# Altium PCB main - Copy.PcbDoc (part 1 of 14) (continued)
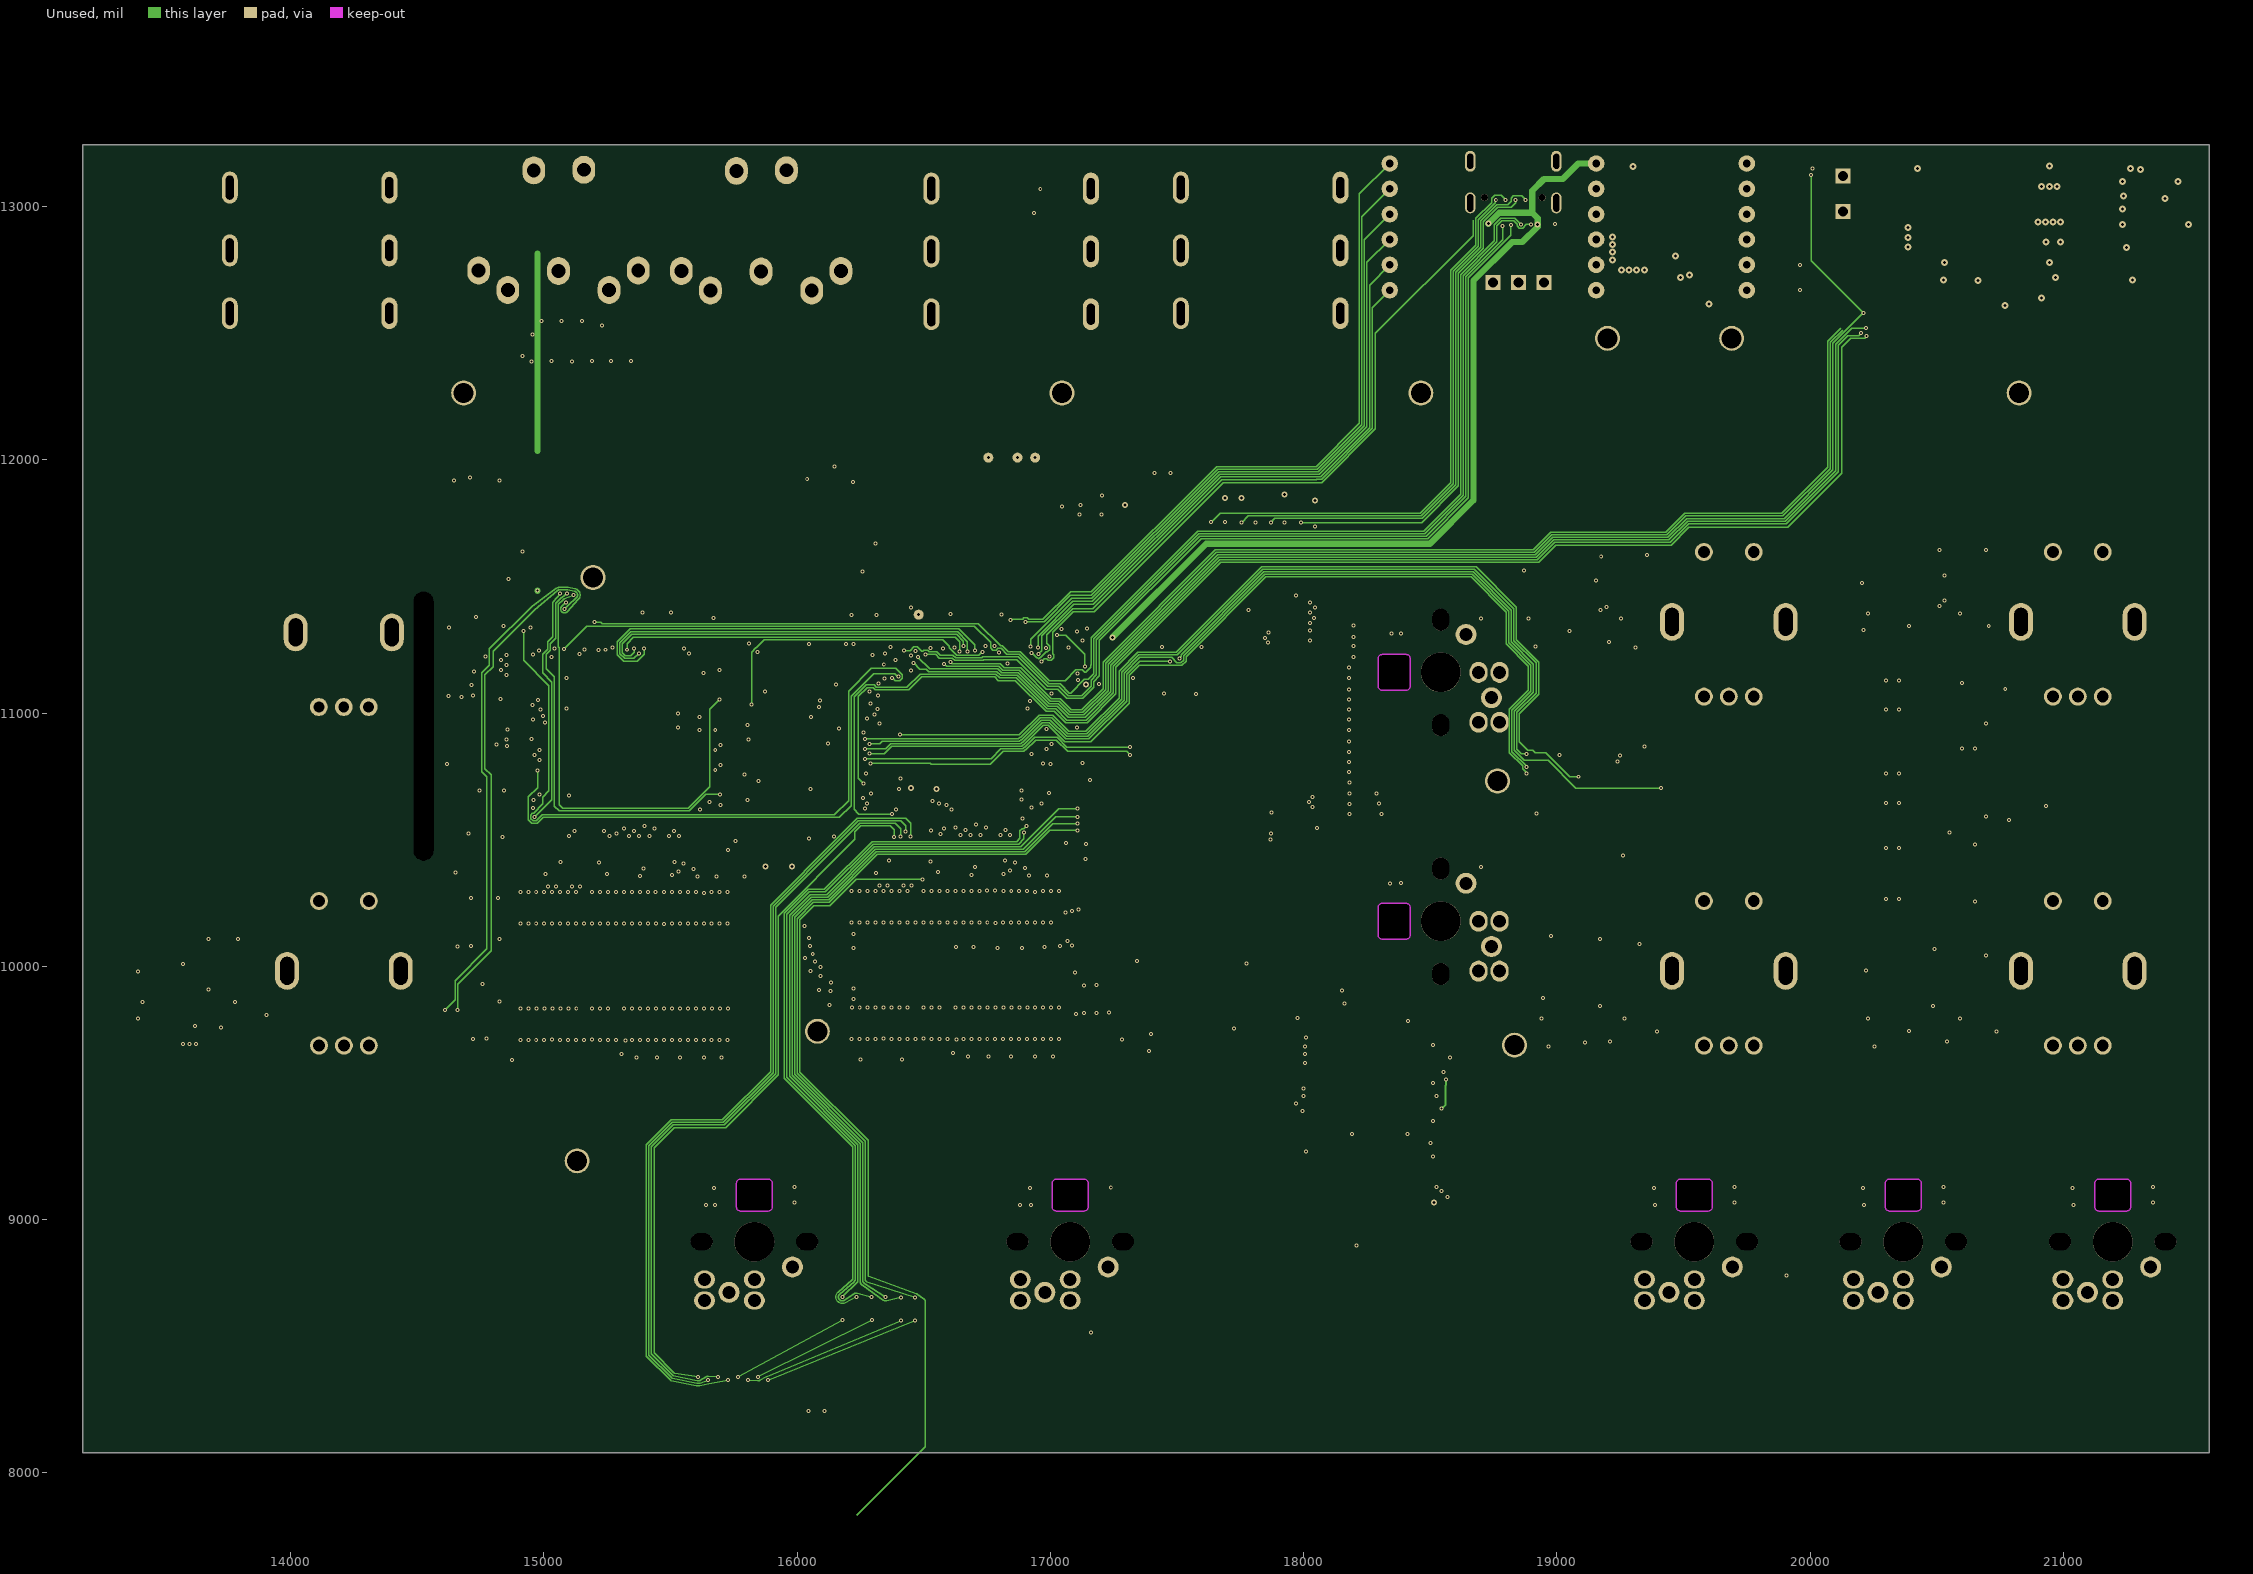
[diagram p4: Unused]
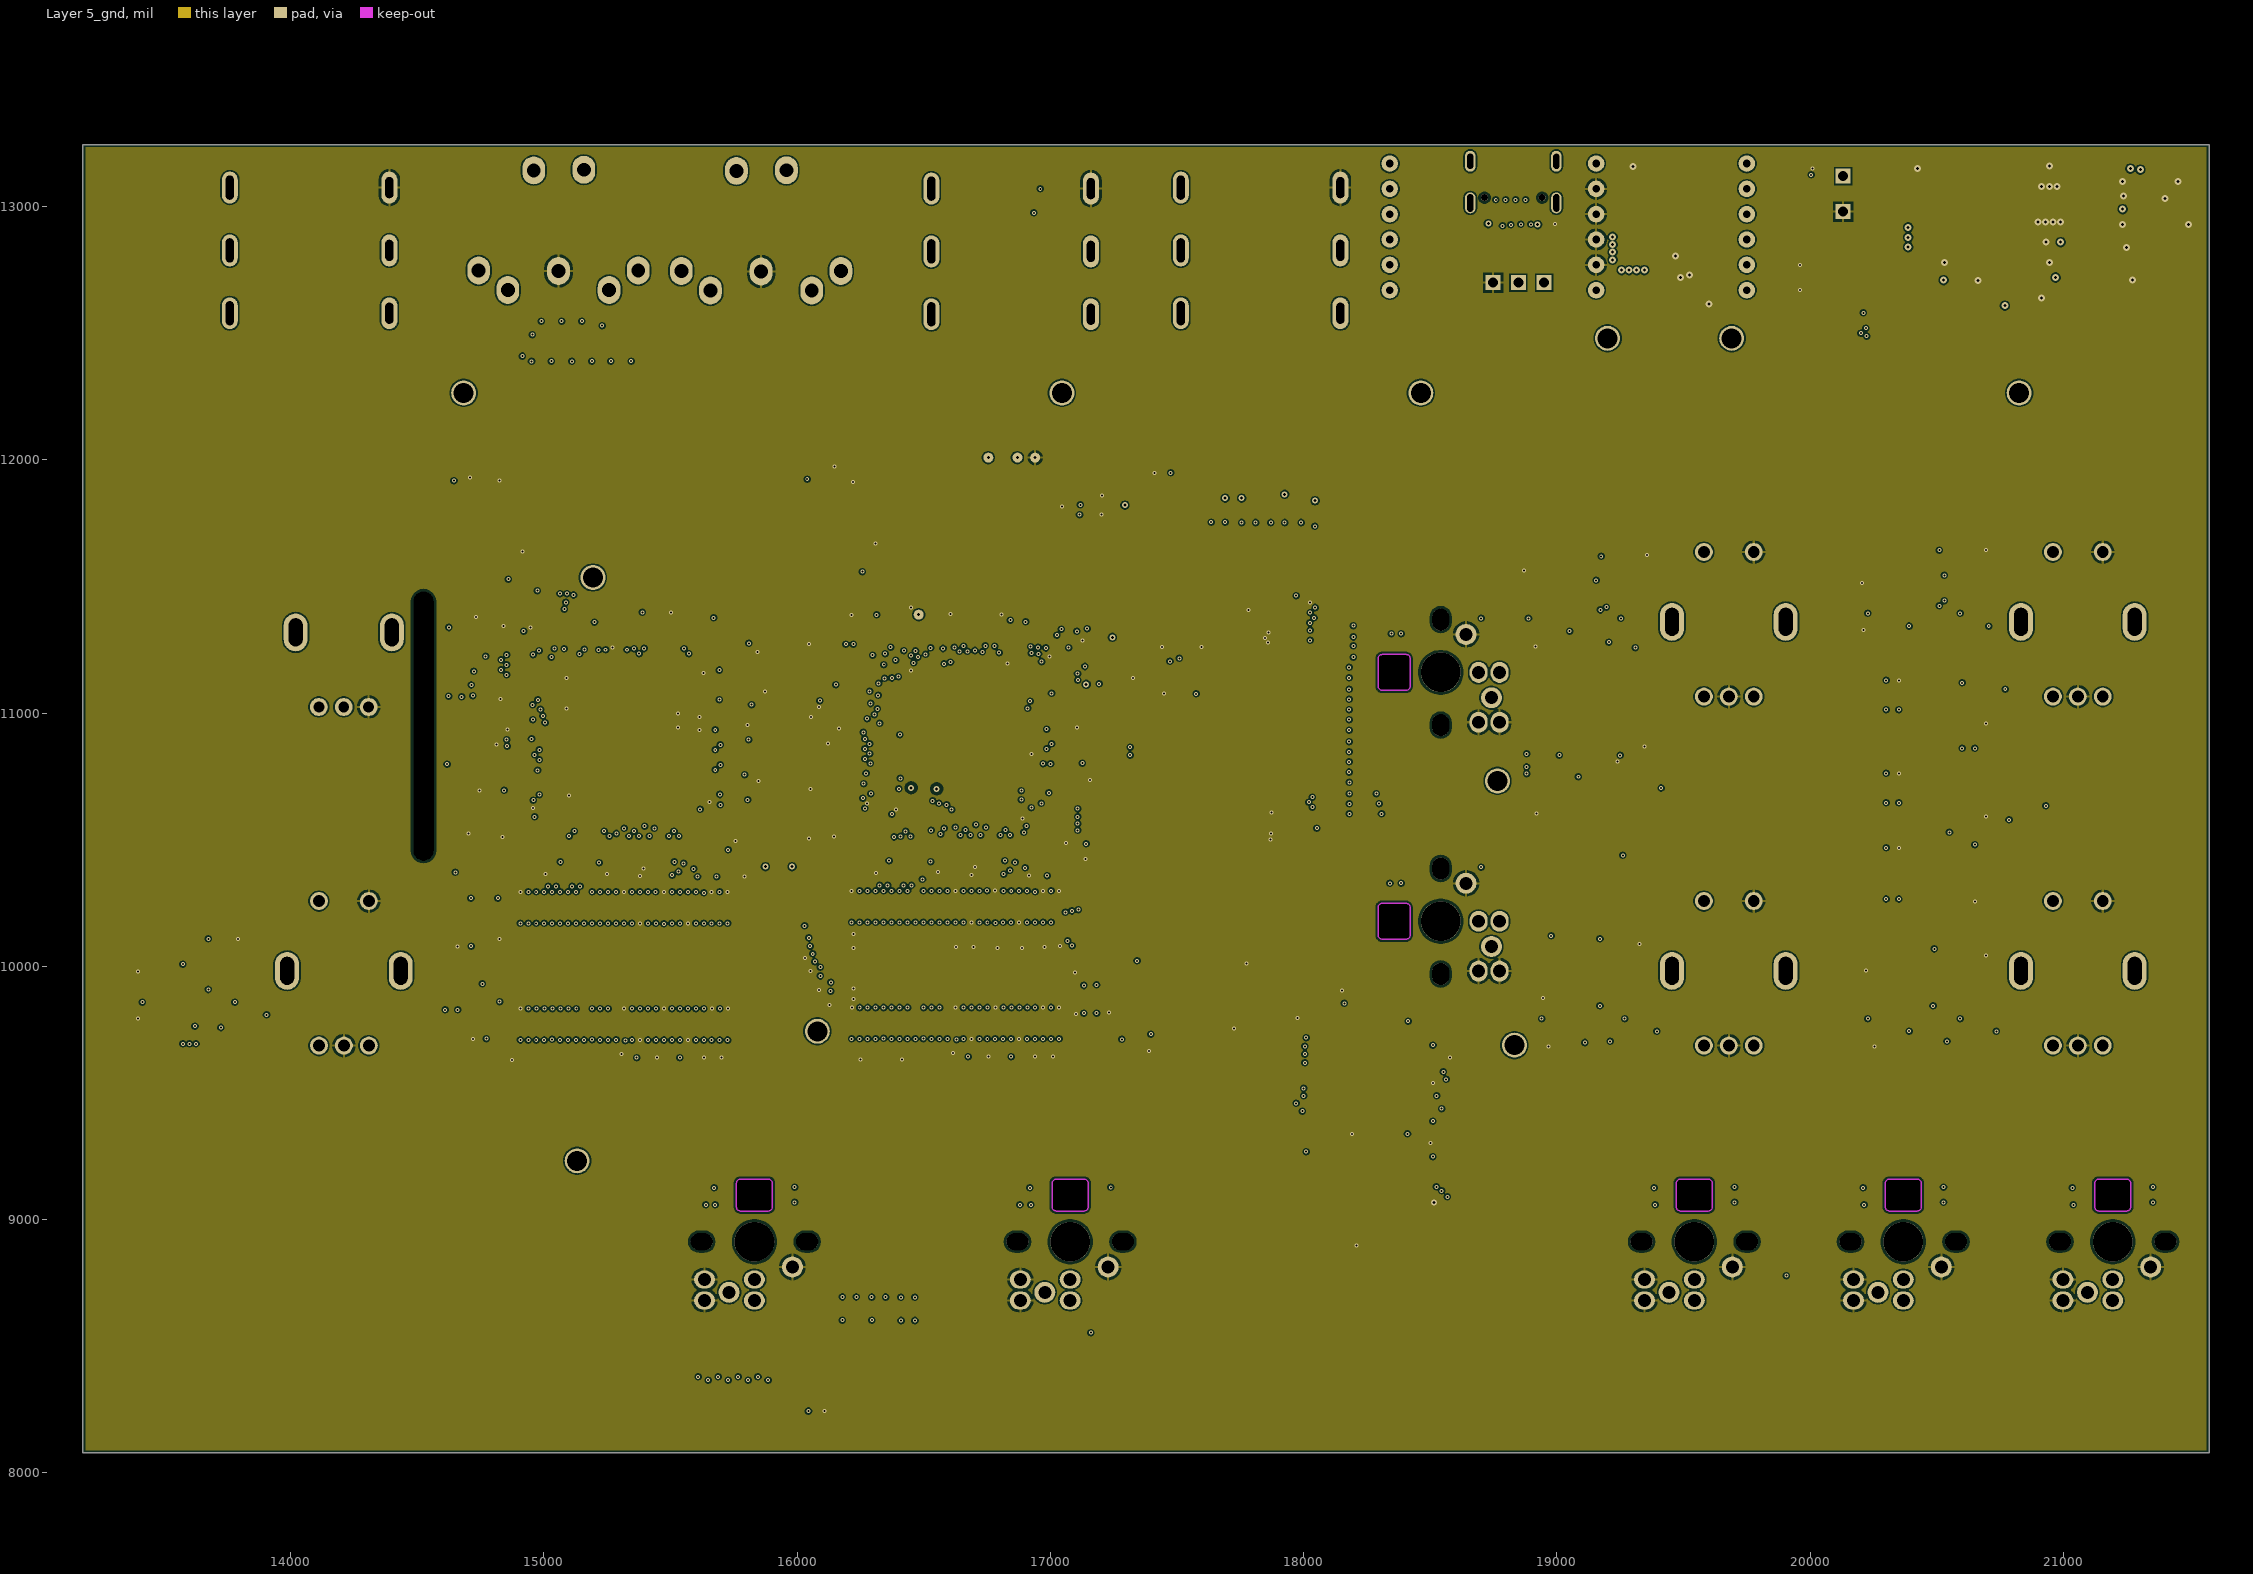
[diagram p5: Layer 5_gnd]
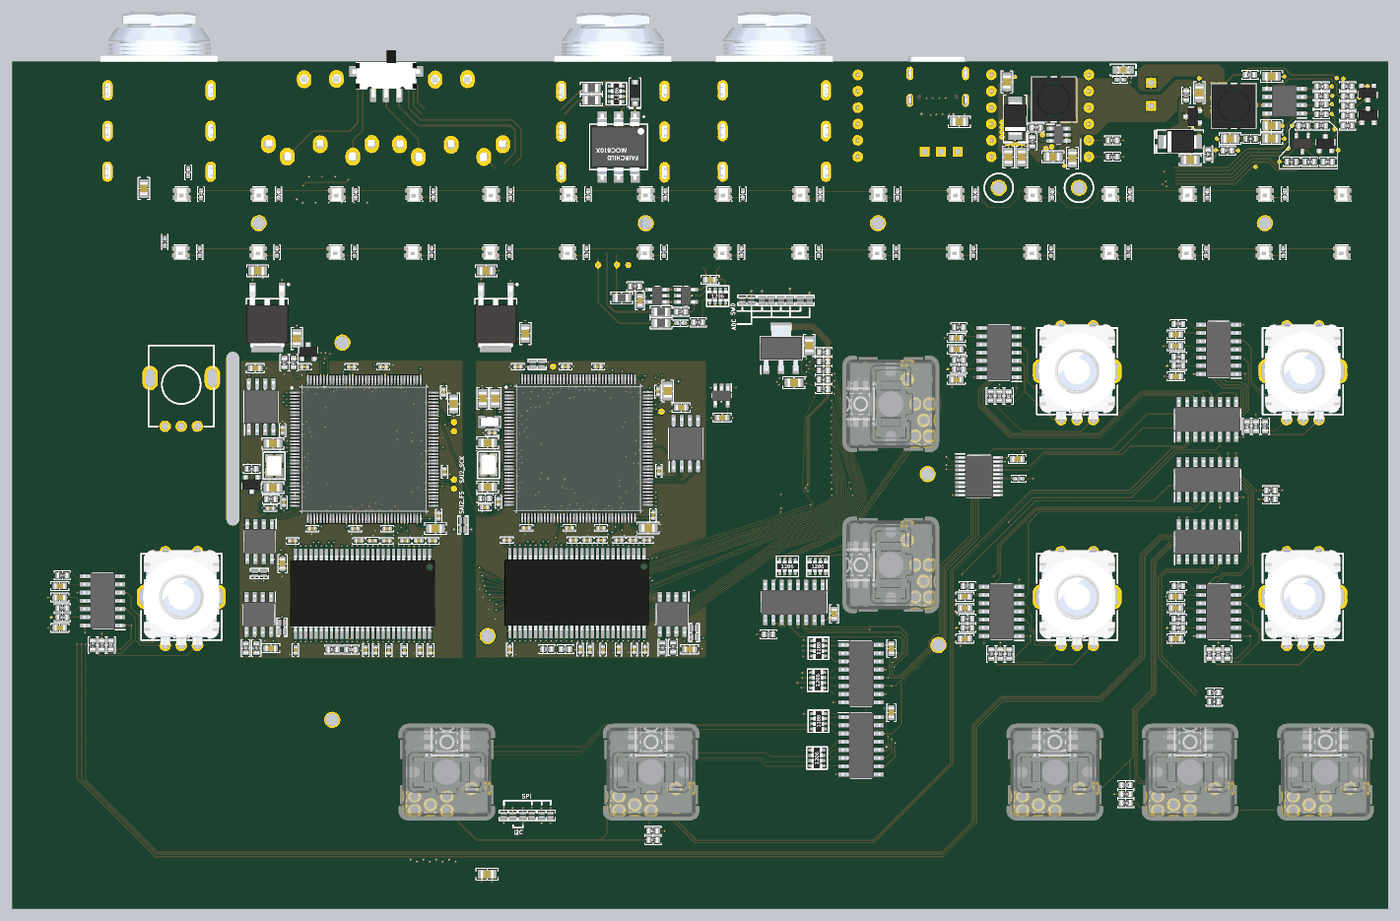
[diagram p19: 3D render of the assembled board from above, using the file's embedded part models]
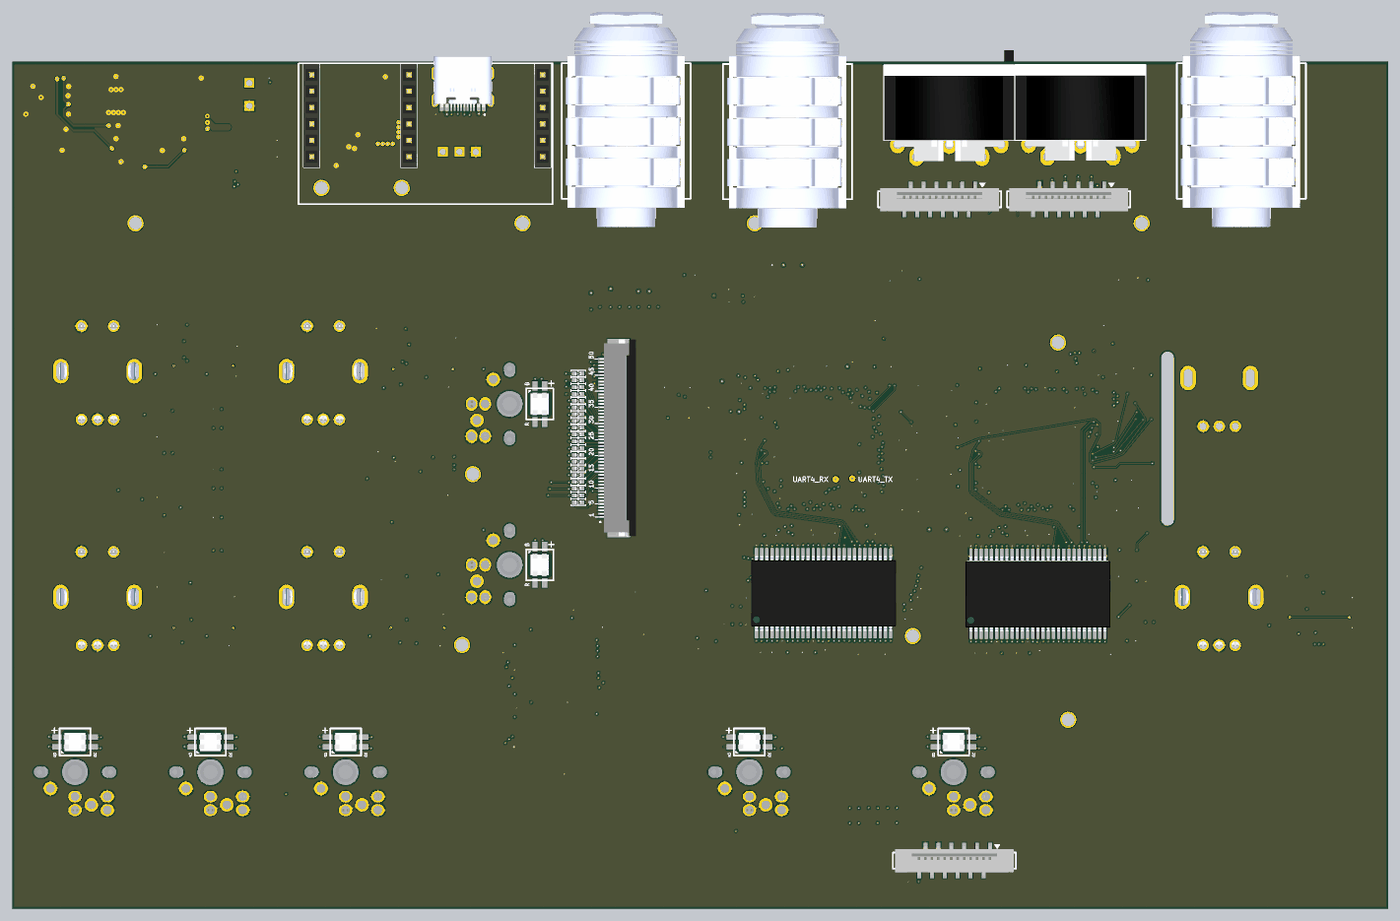
[diagram p20: 3D render of the assembled board from below, using the file's embedded part models]

## Layer stack, top to bottom
Top Solder: solder mask 0.4, Solder Resist, Dk 3.5
Top Layer 1: signal copper 1.4
Dielectric 1: dielectric 12.6, FR-4, Dk 4.8
Layer 2: signal copper 1.378
Dielectric 2: prepreg 2.8, PP-006, Dk 4.1
Layer 3: signal copper 1.378
Dielectric 4: prepreg 2.8, PP-006, Dk 4.1
Unused: signal copper 1.4
Dielectric 5: prepreg 2.8, PP-006, Dk 4.1
Layer 4_pow: signal copper 1.378
Dielectric 3: prepreg 2.8, PP-006, Dk 4.1
Layer 5_gnd: signal copper 1.378
Dielectric2: dielectric 12.6, FR-4, Dk 4.8
Bottom 6+gnd: signal copper 1.4
Bottom Solder: solder mask 0.4, Solder Resist, Dk 3.5

## Board outline
13180.25,8079.59 13180.25,13244.04 21574.8,13244.04 21574.8,8670.67 21574.8,8079.59

## Design rules (kind name [scope] priority, off if disabled: settings)
BoardOutlineClearance [All] p1: gap=10 ignorepadtopadclearanceinfootprint=FALSE except(0: Arc-SplitContinuation Track-SplitContinuation SMDPad-SplitContinuation THPad-SplitContinuation Via-SplitContinuation Fill-SplitContinuation Poly-SplitContinuation Region-SplitContinuation Text-SplitContinuation)
Clearance [All] p1: gap=10 ignorepadtopadclearanceinfootprint=TRUE except(5: Arc-Arc Arc-Track Arc-SMDPad Arc-THPad Arc-Via Track-Track Track-SMDPad Track-THPad Track-Via SMDPad-SMDPad SMDPad-THPad SMDPad-Via; 6: Arc-Fill Arc-Poly Arc-Region Track-Fill Track-Poly Track-Region SMDPad-Fill SMDPad-Poly SMDPad-Region THPad-Fill THPad-Poly THPad-Region Via-Fill Via-Poly Via-Region; 7: THPad-Via Text-Text; 7.87: Text-Hole; 8: Arc-Hole Track-Hole SMDPad-Hole; 11: Via-Hole)
ComponentClearance [All] p1 off: gap=10 collisioncheckmode=3 verticalgap=10 showdistances=FALSE
MinimumSolderMaskSliver [All] p1: minsoldermaskwidth=4
PolygonConnect PolygonConnect_2 [All] p1: thpad.connectstyle=Relief thpad.reliefconductorwidth=10 thpad.reliefentries=4 thpad.polygonreliefangle="90 Angle" thpad.airgapwidth=10 smdpad.connectstyle=Relief smdpad.reliefconductorwidth=10 smdpad.reliefentries=4 smdpad.polygonreliefangle="90 Angle" smdpad.airgapwidth=10 via.connectstyle=Direct via.reliefconductorwidth=10 via.reliefentries=4 via.polygonreliefangle="90 Angle" via.airgapwidth=10
PolygonConnect PolygonConnect_1 [All vs InNet('GND')] p2: thpad.connectstyle=Relief thpad.reliefconductorwidth=10 thpad.reliefentries=4 thpad.polygonreliefangle="90 Angle" thpad.airgapwidth=10 smdpad.connectstyle=Relief smdpad.reliefconductorwidth=10 smdpad.reliefentries=4 smdpad.polygonreliefangle="90 Angle" smdpad.airgapwidth=10 via.connectstyle=Direct via.reliefconductorwidth=10 via.reliefentries=4 via.polygonreliefangle="90 Angle" via.airgapwidth=10
PolygonConnect [All vs InNet('+MCU')] p3: thpad.connectstyle=Direct thpad.reliefconductorwidth=10 thpad.reliefentries=4 thpad.polygonreliefangle="90 Angle" thpad.airgapwidth=10 smdpad.connectstyle=Relief smdpad.reliefconductorwidth=10 smdpad.reliefentries=4 smdpad.polygonreliefangle="90 Angle" smdpad.airgapwidth=10 via.connectstyle=Direct via.reliefconductorwidth=10 via.reliefentries=4 via.polygonreliefangle="90 Angle" via.airgapwidth=10
RoomDefinition "LCD FFC" [InComponentClass('LCD FFC')] p1: confinementstyle=ConfineIn formatcopy=TRUE lockcomponents=FALSE outline 0,0 2000,0 2000,1000 0,1000
RoomDefinition 3d_dsn_approx [InComponentClass('3d_dsn_approx')] p2: confinementstyle=ConfineIn formatcopy=TRUE lockcomponents=FALSE outline 0,0 2000,0 2000,1000 0,1000
RoomDefinition IC103 [InComponentClass('IC103')] p3: confinementstyle=ConfineIn formatcopy=TRUE lockcomponents=FALSE outline 18872.72,9678.82 19377.72,9678.82 19377.72,10093.82 18872.72,10093.82
RoomDefinition IC105 [InComponentClass('IC105')] p4: confinementstyle=ConfineIn formatcopy=TRUE lockcomponents=FALSE outline 13385,9743.82 13890,9743.82 13890,10158.82 13385,10158.82
RoomDefinition IC104 [InComponentClass('IC104')] p5: confinementstyle=ConfineIn formatcopy=TRUE lockcomponents=FALSE outline 20197.28,9678.82 20702.28,9678.82 20702.28,10093.82 20197.28,10093.82
RoomDefinition IC102 [InComponentClass('IC102')] p6: confinementstyle=ConfineIn formatcopy=TRUE lockcomponents=FALSE outline 20197.28,11278.82 20702.28,11278.82 20702.28,11693.82 20197.28,11693.82
RoomDefinition IC101 [InComponentClass('IC101')] p7: confinementstyle=ConfineIn formatcopy=TRUE lockcomponents=FALSE outline 18857.72,11258.82 19362.72,11258.82 19362.72,11673.82 18857.72,11673.82
RoutingVias [All] p1: holewidth=7.87 width=15.75 viastyle="Through Hole" minholewidth=7.87 minwidth=15.75 maxholewidth=25 maxwidth=23.62 useviatemplates=TRUE viatemplateguid#1={42022CC5-D0DE-4D84-B667-9158C60BCCDA} viatemplateguid#2={3F1A150C-4AD9-4313-A73C-918DD3CD4B89} viatemplatename#1=v40h20m0mx0 viatemplatename#2=v60h30m0
SilkToSilkClearance [All] p1 off: silktosilkclearance=10
SilkToSolderMaskClearance [IsPad] p1 off: minsilkscreentomaskgap=10 clearancetoexposedcopper=TRUE
SolderMaskExpansion [All] p1: expansion=2 istentingtop=FALSE
Width [All] p1: maxlimit=39.37 minlimit=5 preferedwidth=5
26 further rules are at their usual default settings.

## Classes and differential pairs
component class Power: C69 C70 C89 C90 C91 C92 C93 C94 C95 C96 C97 D2 D3 D4 IC20 IC21 IC23 L1 L2 Q3 Q4 Q5 Q6 R11 R17 R18 R19 R20 R21 R38 R39 R50 R51 R52 R53 R125 R126 R127 R128 R129 R130 R131 R132 R133 R134 TP15 TP16
component class USB_DBG: C88 J20
component class SPI_LSH: C61 IC4
component class MCU_ADIO: C2 C4 C6 C8 C10 C22 C23 C24 C25 C26 C27 C28 C29 C30 C31 C32 C47 C48 C49 C50 C51 C52 C53 C54 C55 C56 C57 C58 C59 C60 C62 C64 C71 C72 C86 IC2 IC3 IC6 IC8 IC9 J4 J6 Q1 Q2 R6 R9 R12 R15 R16 R106 R107 R109 TP3 TP4 TP5 TP6 U3 U4 Y2
net class ADC[1..6]: ADC1 ADC2 ADC3 ADC4 ADC5 ADC6
component class "Phone Jacks": J15 J16 J17 J18 PJ1 PJ2 PJ3
component class "MIDI jacks": C80 C81 D1 FB1 FB2 FB3 FB4 FB5 IC18 IC19 JK1 JK2 R1 R2 R102 R103 R104 R105 S1 TP7 TP8 TP9 U6
component class FootswConnector: C85 J3 J7 J9 J14
component class "Codec board connector": J1 J2
net class DD[0..15]: DD0 DD1 DD2 DD3 DD4 DD5 DD6 DD7 DD8 DD9 DD10 DD11 DD12 DD13 DD14 DD15
net class AA[0..11]: AA0 AA1 AA2 AA3 AA4 AA5 AA6 AA7 AA8 AA9 AA10 AA11
channel class 74VHCT14AM1: IC101 IC102 IC103 IC104 IC105
net class D[0..15]: D0 D1 D2 D3 D4 D5 D6 D7 D8 D9 D10 D11 D12 D13 D14 D15 D16 D17 D18 D19 D110 D112 D113 D114 D115
net class A[0..11]: A0 A1 A2 A3 A4 A5 A6 A7 A8 A9 A10 A11 A12 A13 A14 A15 A16 A17 A18 A19 A110
component class MCU_GUI: C1 C3 C5 C7 C9 C11 C12 C13 C14 C15 C16 C17 C18 C19 C20 C21 C33 C34 C35 C36 C37 C38 C39 C40 C41 C42 C43 C44 C45 C46 C63 C65 C67 C68 C76 C87 IC1 IC7 IC22 IC55 J5 J8 R5 R7 R10 R13 R14 TP1 TP2 TP10 TP11 U1 U2 Y1 Y3
component class IC105: C77_IC105 C78_IC105 C79_IC105 IC11_IC105 R47_IC105 R48_IC105 R49_IC105
component class IC104: C77_IC104 C78_IC104 C79_IC104 IC11_IC104 R47_IC104 R48_IC104 R49_IC104
component class IC103: C77_IC103 C78_IC103 C79_IC103 IC11_IC103 R47_IC103 R48_IC103 R49_IC103
component class IC102: C77_IC102 C78_IC102 C79_IC102 IC11_IC102 R47_IC102 R48_IC102 R49_IC102
component class IC101: C77_IC101 C78_IC101 C79_IC101 IC11_IC101 R47_IC101 R48_IC101 R49_IC101
component class "LCD FFC": C74 C75 H3 IC10 R40 R41 R42 R43 R44 R45 R46 R54 R55 R56 R57 R58 R59 R60 R61 R62 R63 R64 R65 R66 R67 R68 R69 R70 R71 С75
component class 3d_dsn_approx: C66 C73 C82 C83 C84 ENC1 ENC2 ENC3 ENC4 ENC5 H1 H2 H4 IC5 IC12 IC13 IC14 IC15 IC16 IC17 J19 LED1 LED2 LED3 LED4 LED5 LED6 LED7 LED8 LED9 LED10 LED11 LED12 LED13 LED14 LED15 LED16 LED17 LED18 LED19 LED20 LED21 LED22 LED23 LED24 LED25 LED26 LED27 LED28 LED29 LED30 LED31 LED32 MH1 MH2 MH3 MH4 MH5 MH6 MH7 MH8 MH9 MH10 R3 R4 R8 R22 R23 R24 R25 R26 R27 R28 R29 R30 R31 R32 R33 R34 R35 R36 R37 R72 R73 R74 R75 R76 R77 R78 R79 R80 R81 R82 R83 R84 R85 R86 R87 R88 R89 R90 R91 R92 R93 R94 R95 R96 R97 R98 R99 R100 R101 R108 R110 R111 R112 R113 R114 R115 R116 R117 R118 R119 R120 R121 R122 R123 R124 R135 R136 SW1 SW2 SW3 SW4 SW5 SW6 SW7 TP12 TP13 TP14 VD1

## Components (designator, comment, footprint, x,y, rotation, side; value= is the part's Value field where it differs from the comment)
C1 "2.2 µF" "CAP 0805_2012" 17180,11238.82 r90 top
C2 "2.2 µF" "CAP 0805_2012" 15873.33,11160.26 r270 top
C3 "9pF" "CAP 0805_2012" 16080,10923.82 r180 top
C4 "9pF" "CAP 0805_2012" 14769.65,10919.69 r180 top
C5 "9pF" "CAP 0805_2012" 16080,10653.82 r0 top
C6 "9pF" "CAP 0805_2012" 14770.11,10649.75 r0 top
C7 "0.1µF" "CAP 0402_1005" 16062.68,10528.82 r0 top
C8 "0.1µF" "CAP 0402_1005" 14754.44,10524.63 r0 top
C9 "2.2 µF" "CAP 0805_2012" 17060,10403.82 r180 top
C10 "2.2 µF" "CAP 0805_2012" 15761.76,10399.63 r180 top
C11 "0.1µF" "CAP 0402_1005" 16265,11388.82 r180 top
C12 "0.1µF" "CAP 0402_1005" 16107.68,10983.82 r180 top
C13 "0.1µF" "CAP 0402_1005" 16145.45,10564.1 r270 top
C14 "0.1µF" "CAP 0402_1005" 16555,11388.82 r0 top
C15 "0.1µF" "CAP 0402_1005" 16755,11388.82 r0 top
C16 "0.1µF" "CAP 0402_1005" 17120,11236.14 r270 top
C17 "0.1µF" "CAP 0402_1005" 17125,10751.5 r270 top
C18 "0.1µF" "CAP 0402_1005" 17090,10481.14 r90 top
C19 "0.1µF" "CAP 0402_1005" 16772.58,10403.82 r180 top
C20 "0.1µF" "CAP 0402_1005" 16580,10403.82 r180 top
C21 "0.1µF" "CAP 0402_1005" 16317.68,10403.82 r180 top
C22 "0.1µF" "CAP 0402_1005" 14837.21,10559.91 r270 top
C23 "0.1µF" "CAP 0402_1005" 14828.33,11000.26 r90 top
C24 "0.1µF" "CAP 0402_1005" 14963.92,11386.87 r180 top
C25 "0.1µF" "CAP 0402_1005" 15248.57,11386.87 r0 top
C26 "0.1µF" "CAP 0402_1005" 15443.57,11386.87 r0 top
C27 "0.1µF" "CAP 0402_1005" 15811.76,11231.95 r270 top
C28 "0.1µF" "CAP 0402_1005" 15781.76,10477.31 r90 top
C29 "0.1µF" "CAP 0402_1005" 15009.44,10399.63 r180 top
C30 "0.1µF" "CAP 0402_1005" 15271.76,10399.63 r180 top
C31 "0.1µF" "CAP 0402_1005" 15466.76,10399.63 r180 top
C32 "0.1µF" "CAP 0402_1005" 15817.74,10747.34 r270 top
C33 "0.1µF" "CAP 0402_1005" 16215,9661.5 r270 top
C34 "0.1µF" "CAP 0402_1005" 16645,9661.5 r270 top
C35 "0.1µF" "CAP 0402_1005" 16705,9661.5 r90 top
C36 "0.1µF" "CAP 0402_1005" 16785,9661.5 r270 top
C37 "0.1µF" "CAP 0402_1005" 16880,9661.5 r90 top
C38 "0.1µF" "CAP 0402_1005" 16975,9661.5 r270 top
C39 "0.1µF" "CAP 0402_1005" 17040.39,9661.5 r270 top
C40 "0.1µF" "CAP 0402_1005" 16197.68,10328.82 r0 top
C41 "0.1µF" "CAP 0402_1005" 16602.68,10328.82 r0 top
C42 "0.1µF" "CAP 0402_1005" 16772.68,10328.82 r0 top
C43 "0.1µF" "CAP 0402_1005" 16882.32,10328.82 r0 top
C44 "0.1µF" "CAP 0402_1005" 16967.32,10328.82 r180 top
C45 "0.1µF" "CAP 0402_1005" 17052.32,10328.82 r180 top
C46 "0.1µF" "CAP 0402_1005" 16687.68,10328.82 r180 top
C47 "0.1µF" "CAP 0402_1005" 14907.18,9657.73 r270 top
C48 "0.1µF" "CAP 0402_1005" 15336.76,9657.31 r270 top
C49 "0.1µF" "CAP 0402_1005" 15396.76,9657.31 r90 top
C50 "0.1µF" "CAP 0402_1005" 15476.76,9657.31 r270 top
C51 "0.1µF" "CAP 0402_1005" 15571.76,9657.31 r90 top
C52 "0.1µF" "CAP 0402_1005" 15666.76,9657.31 r270 top
C53 "0.1µF" "CAP 0402_1005" 15732.15,9657.31 r270 top
C54 "0.1µF" "CAP 0402_1005" 15744.08,10324.63 r180 top
C55 "0.1µF" "CAP 0402_1005" 15659.08,10324.63 r180 top
C56 "0.1µF" "CAP 0402_1005" 15574.08,10324.63 r180 top
C57 "0.1µF" "CAP 0402_1005" 15464.44,10324.63 r0 top
C58 "0.1µF" "CAP 0402_1005" 15378.33,10325.26 r180 top
C59 "0.1µF" "CAP 0402_1005" 15294.38,10324.63 r0 top
C60 "0.1µF" "CAP 0402_1005" 14889.44,10324.63 r0 top
C61 "0.1 µF" "CAP 0603_1608" 17511.89,11076.73 r180 top
C62 "0.1 µF" "CAP 0603_1608" 14828.33,10185.26 r90 top
C63 "0.1 µF" "CAP 0603_1608" 17261.5,11138.82 r180 top
C64 "0.1 µF" "CAP 0603_1608" 14756.57,9668.82 r0 top
C65 "0.1 µF" "CAP 0603_1608" 17313.58,9662.2 r180 top
C66 "0.1 µF" "CAP 0603_1608" 18195,9878.82 r270 top
C67 "7 pF" "CAP 0805_2012" 16050.36,11194.34 r270 top
C68 "7 pF" "CAP 0805_2012" 16127.09,11193.7 r270 top
C69 "1 µF" "CAP 0805_2012" 19650,12661.5 r90 top
C70 "1 µF" "CAP 0805_2012" 19249.81,13126.49 r270 top
C71 "10 µF" "CAP 0805_2012" 16310,11590.31 r270 top
C72 "1 µF" "CAP 0805_2012" 16071.5,11973.82 r180 top
C73 "0.1 µF" "CAP 0603_1608" 19313.5,10823.82 r180 top
C74 "10 µF" "CAP 0805_2012" 18042.4,11517.21 r90 top
C75 "1 µF" "CAP 0805_2012" 14676.5,11973.82 r180 top
C76 "1 µF" "CAP 0805_2012" 17949.92,11290.71 r0 top
C77_IC101 "0.1 µF" "CAP 0603_1608" 18941.22,11493.82 r180 top (schematic designator C77)
C77_IC102 "0.1 µF" "CAP 0603_1608" 20280.79,11513.82 r180 top (schematic designator C77)
C77_IC103 "0.1 µF" "CAP 0603_1608" 18993.5,9913.82 r180 top (schematic designator C77)
C77_IC104 "0.1 µF" "CAP 0603_1608" 20280.79,9913.82 r180 top (schematic designator C77)
C77_IC105 "0.1 µF" "CAP 0603_1608" 13468.5,9978.82 r180 top (schematic designator C77)
C78_IC101 "0.1 µF" "CAP 0603_1608" 18941.22,11308.82 r180 top (schematic designator C78)
C78_IC102 "0.1 µF" "CAP 0603_1608" 20280.79,11328.82 r180 top (schematic designator C78)
C78_IC103 "0.1 µF" "CAP 0603_1608" 18993.5,9728.82 r180 top (schematic designator C78)
C78_IC104 "0.1 µF" "CAP 0603_1608" 20280.79,9728.82 r180 top (schematic designator C78)
C78_IC105 "0.1 µF" "CAP 0603_1608" 13468.5,9793.82 r180 top (schematic designator C78)
C79_IC101 "0.1 µF" "CAP 0603_1608" 18941.22,11563.82 r180 top (schematic designator C79)
C79_IC102 "0.1 µF" "CAP 0603_1608" 20280.79,11583.82 r180 top (schematic designator C79)
C79_IC103 "0.1 µF" "CAP 0603_1608" 18993.5,9983.82 r180 top (schematic designator C79)
C79_IC104 "0.1 µF" "CAP 0603_1608" 20280.79,9983.82 r180 top (schematic designator C79)
C79_IC105 "0.1 µF" "CAP 0603_1608" 13468.5,10048.82 r180 top (schematic designator C79)
C80 "0.1 µF" "CAP 0603_1608" 17438.43,11918.82 r180 top
C81 "0.1 µF" "CAP 0603_1608" 17010,11790.39 r90 top
C82 "0.1 µF" "CAP 0603_1608" 18545,9667.24 r90 top
C83 "0.1 µF" "CAP 0603_1608" 18545,9276.32 r270 top
C84 "10 µF" "CAP 0805_2012" 13982.16,12476.38 r90 top
C85 "10 µF" "CAP 0805_2012" 16076.5,8288.82 r180 top
C86 "0.1 µF" "CAP 0603_1608" 14661.5,11378.82 r180 top
C87 "10 µF" "CAP 0805_2012" 14915,11560.31 r270 top
C88 "10 µF" "CAP 0805_2012" 18959.61,12883.31 r180 top
C89 "1 µF" "CAP 0805_2012" 19259.81,12668.5 r90 top
C90 "22 µF" "CAP 0805_2012" 19531.31,12669.99 r0 top
C91 "22 µF" "CAP 0805_2012" 19339.81,12668.5 r90 top
C92 "10 µF" "CAP 0805_2012" 20369.02,12650.98 r180 top
C93 "10 µF" "CAP 0805_2012" 20865.51,12860 r180 top
C94 "22 µF" "CAP 0805_2012" 20865.51,12780 r180 top
C95 "10 µF" "CAP 0805_2012" 20612.52,12780 r0 top
C96 "22 µF" "CAP 0805_2012" 20865.51,13160 r180 top
C97 "22 µF" "CAP 0805_2012" 20424.02,13061.5 r270 top
D1 "1N4148W-TP" SOD-123 16980,13060 r270 top
D2 "SS24" "DO214AA SMB" 20307.37,12762.1 r180 top
D3 "SS24" "DO214AA SMB" 19299.81,12904.64 r270 top
D4 "Red" "LED 0805_2012 RED" 19960,13200 r0 top
ENC1 "Encoder_15mm" EC11_15mm 19678.75,11360.55 r0 top
ENC2 "Encoder_15mm" EC11_15mm 21056.7,11360.55 r0 top
ENC3 "Encoder_15mm" EC11_15mm 14210.63,9982.6 r0 top